# KiCad board Primero_esquematico.kicad_pcb (continued)
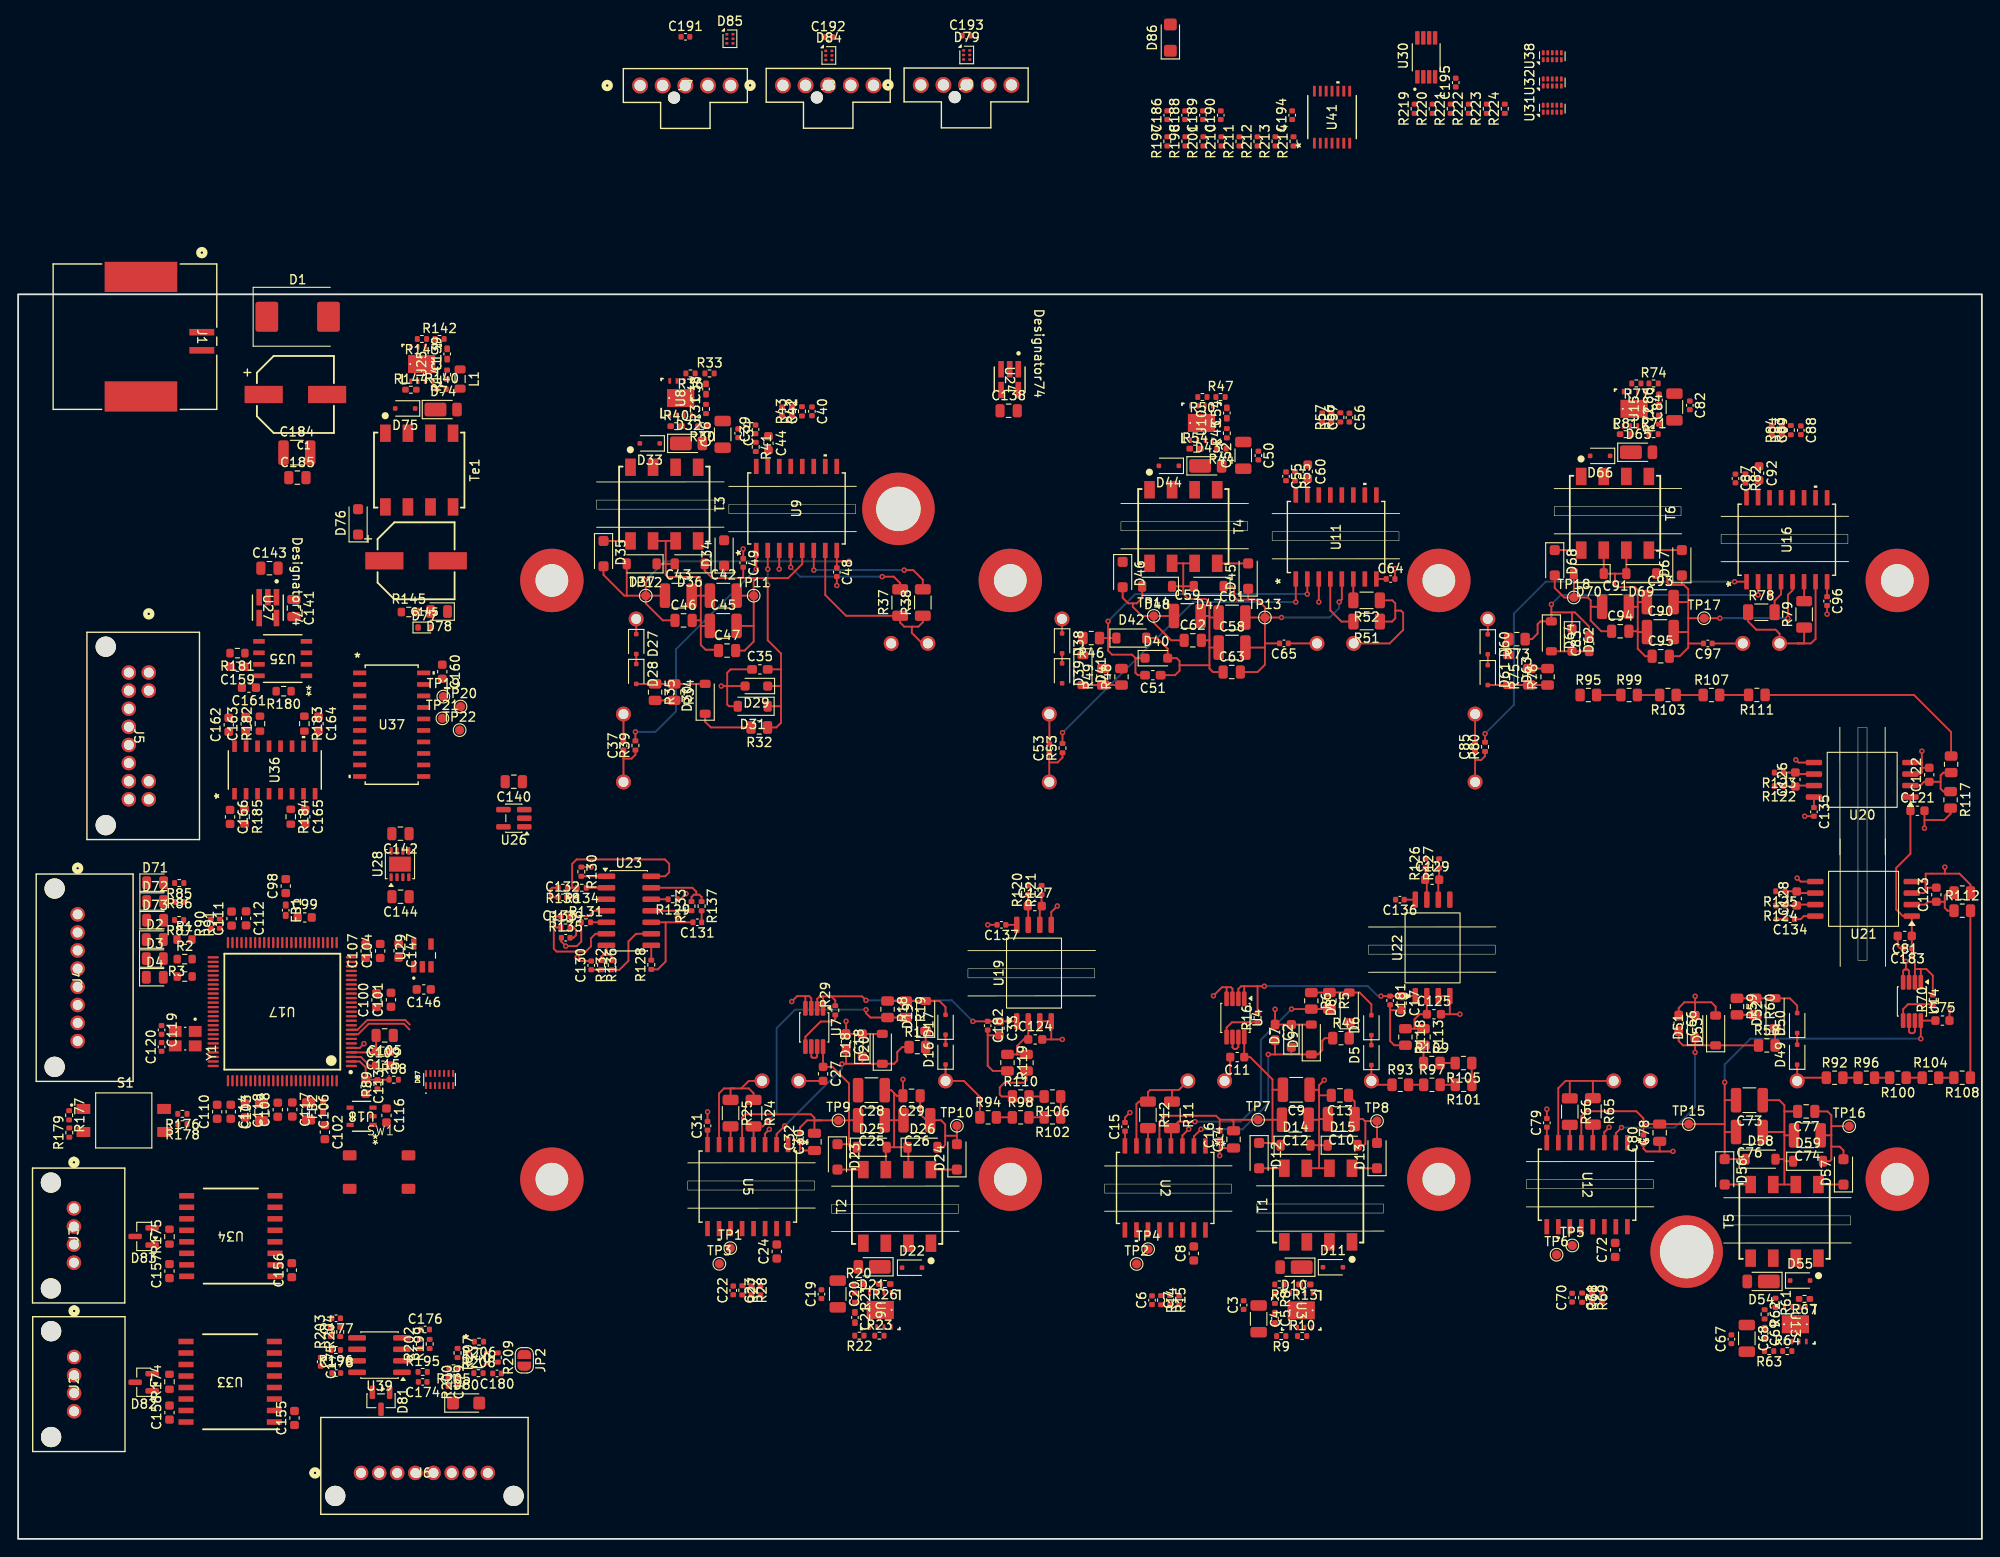
[diagram p0: board, top side]
## Footprints (pads in the part's own frame, mm; a bottom-side part is the same pattern mirrored in y, then rotated) (continued)
IT-1187-160GM-G
  rrect 1.5x1.1 smd: 1(0,0) 1(6.5,0) 2(0,3.7) 2(6.5,3.7)
L_0402_1005Metric_Pad0.77x0.64mm_HandSolder
  rrect 0.765x0.64 smd: 1(-0.573,0) 2(0.573,0)
L_0805_2012Metric
  rrect 0.875x1.2 smd: 1(-1.062,0) 2(1.062,0)
LED_0805_2012Metric
  rrect 0.975x1.4 smd: 1(-0.938,0) 2(0.938,0)
NGU0008C
  rect 0.6x0.3 smd: 1(-1.9,1.2) 2(-1.9,0.4) 3(-1.9,-0.4) 4(-1.9,-1.2) 5(1.9,-1.2) 6(1.9,-0.4) 7(1.9,0.4) 8(1.9,1.2)
  rect 1.98x3 smd: 9(0,0)
  round 0.5 hole 0.203: V(-0.74,0) V(0,1.25) V(0,-1.25) V(0.74,0)
NS20-L
  rect 1.448x0.508 smd: 1(-3.531,5.715) 2(-3.531,4.445) 3(-3.531,3.175) 4(-3.531,1.905) 5(-3.531,0.635) 6(-3.531,-0.635) 7(-3.531,-1.905) 8(-3.531,-3.175) 9(-3.531,-4.445) 10(-3.531,-5.715) 11(3.531,-5.715) 12(3.531,-4.445) 13(3.531,-3.175) 14(3.531,-1.905) 15(3.531,-0.635) 16(3.531,0.635) 17(3.531,1.905) 18(3.531,3.175) 19(3.531,4.445) 20(3.531,5.715)
PZ0100A_L
  oval 1.25x0.25 smd: 1(-7.625,6) 2(-7.625,5.5) 3(-7.625,5) 4(-7.625,4.5) 5(-7.625,4) 6(-7.625,3.5) 7(-7.625,3) 8(-7.625,2.5) 9(-7.625,2) 10(-7.625,1.5) 11(-7.625,1) 12(-7.625,0.5) 13(-7.625,0) 14(-7.625,-0.5) 15(-7.625,-1) 16(-7.625,-1.5) 17(-7.625,-2) 18(-7.625,-2.5) 19(-7.625,-3) 20(-7.625,-3.5) 21(-7.625,-4) 22(-7.625,-4.5) 23(-7.625,-5) 24(-7.625,-5.5) 25(-7.625,-6) 51(7.625,-6) 52(7.625,-5.5) 53(7.625,-5) 54(7.625,-4.5) 55(7.625,-4) 56(7.625,-3.5) 57(7.625,-3) 58(7.625,-2.5) 59(7.625,-2) 60(7.625,-1.5) 61(7.625,-1) 62(7.625,-0.5) 63(7.625,0) 64(7.625,0.5) 65(7.625,1) 66(7.625,1.5) 67(7.625,2) 68(7.625,2.5) 69(7.625,3) 70(7.625,3.5) 71(7.625,4) 72(7.625,4.5) 73(7.625,5) 74(7.625,5.5) 75(7.625,6)
  oval 0.25x1.25 smd: 26(-6,-7.625) 27(-5.5,-7.625) 28(-5,-7.625) 29(-4.5,-7.625) 30(-4,-7.625) 31(-3.5,-7.625) 32(-3,-7.625) 33(-2.5,-7.625) 34(-2,-7.625) 35(-1.5,-7.625) 36(-1,-7.625) 37(-0.5,-7.625) 38(0,-7.625) 39(0.5,-7.625) 40(1,-7.625) 41(1.5,-7.625) 42(2,-7.625) 43(2.5,-7.625) 44(3,-7.625) 45(3.5,-7.625) 46(4,-7.625) 47(4.5,-7.625) 48(5,-7.625) 49(5.5,-7.625) 50(6,-7.625) 76(6,7.625) 77(5.5,7.625) 78(5,7.625) 79(4.5,7.625) 80(4,7.625) 81(3.5,7.625) 82(3,7.625) 83(2.5,7.625) 84(2,7.625) 85(1.5,7.625) 86(1,7.625) 87(0.5,7.625) 88(0,7.625) 89(-0.5,7.625) 90(-1,7.625) 91(-1.5,7.625) 92(-2,7.625) 93(-2.5,7.625) 94(-3,7.625) 95(-3.5,7.625) 96(-4,7.625) 97(-4.5,7.625) 98(-5,7.625) 99(-5.5,7.625) 100(-6,7.625)
R_0402_1005Metric
  rrect 0.54x0.64 smd: 1(-0.51,0) 2(0.51,0)
R_0402_1005Metric_Pad0.72x0.64mm_HandSolder
  rrect 0.715x0.64 smd: 1(-0.598,0) 2(0.598,0)
R_0603_1608Metric
  rrect 0.8x0.95 smd: 1(-0.825,0) 2(0.825,0)
R_0805_2012Metric
  rrect 1.025x1.4 smd: 1(-0.912,0) 2(0.912,0)
R_1206_3216Metric
  rrect 1.125x1.75 smd: 1(-1.462,0) 2(1.462,0)
SC-74A-5_1.55x2.9mm_P0.95mm
  rrect 1.6x0.6 smd: 1(-1.15,0.95) 2(-1.15,0) 3(-1.15,-0.95) 4(1.15,-0.95) 5(1.15,0.95)
SOIC16_DW_TEX-L
  rect 1.676x0.508 smd: 1(-4.636,4.445) 2(-4.636,3.175) 3(-4.636,1.905) 4(-4.636,0.635) 5(-4.636,-0.635) 6(-4.636,-1.905) 7(-4.636,-3.175) 8(-4.636,-4.445) 9(4.636,-4.445) 10(4.636,-3.175) 11(4.636,-1.905) 12(4.636,-0.635) 13(4.636,0.635) 14(4.636,1.905) 15(4.636,3.175) 16(4.636,4.445)
SOIC-8_3.9x4.9mm_P1.27mm
  rrect 1.95x0.6 smd: 1(-2.475,1.905) 2(-2.475,0.635) 3(-2.475,-0.635) 4(-2.475,-1.905) 5(2.475,-1.905) 6(2.475,-0.635) 7(2.475,0.635) 8(2.475,1.905)
SOIC-8_7.5x5.85mm_P1.27mm
  rrect 1.8x0.6 smd: 1(-5.325,1.905) 2(-5.325,0.635) 3(-5.325,-0.635) 4(-5.325,-1.905) 5(5.325,-1.905) 6(5.325,-0.635) 7(5.325,0.635) 8(5.325,1.905)
SOIC-14_3.9x8.7mm_P1.27mm
  rrect 1.95x0.6 smd: 1(-2.475,3.81) 2(-2.475,2.54) 3(-2.475,1.27) 4(-2.475,0) 5(-2.475,-1.27) 6(-2.475,-2.54) 7(-2.475,-3.81) 8(2.475,-3.81) 9(2.475,-2.54) 10(2.475,-1.27) 11(2.475,0) 12(2.475,1.27) 13(2.475,2.54) 14(2.475,3.81)
SOIC_DCKRQ1_TEX-L
  rect 0.648x0.254 smd: 1(-1.022,0.65) 2(-1.022,0) 3(-1.022,-0.65) 4(1.022,-0.65) 5(1.022,0.65)
SolderJumper-2_P1.3mm_Open_RoundedPad1.0x1.5mm
  custom 1x1.5 smd: 1(-0.65,0) 2(0.65,0)
SON50P135X350X55-14N
  rrect 0.74x0.22 smd: 1(-0.67,1.5) 2(-0.67,1) 3(-0.67,0.5) 4(-0.67,0) 5(-0.67,-0.5) 6(-0.67,-1) 7(-0.67,-1.5) 8(0.67,-1.5) 9(0.67,-1) 10(0.67,-0.5) 11(0.67,0) 12(0.67,0.5) 13(0.67,1) 14(0.67,1.5)
SOP65P490X110-8N
  rrect 1.47x0.48 smd: 1(-2.15,0.975) 2(-2.15,0.325) 3(-2.15,-0.325) 4(-2.15,-0.975) 5(2.15,-0.975) 6(2.15,-0.325) 7(2.15,0.325) 8(2.15,0.975)
SOT95P0280X110-5N
  rrect 1.25x0.59 smd: 1(-1.255,0.95) 2(-1.255,0) 3(-1.255,-0.95) 4(1.255,-0.95) 5(1.255,0.95)
SOT-23
  rrect 1.475x0.6 smd: 1(-0.938,0.95) 2(-0.938,-0.95) 3(0.938,0)
SOT-886
  rrect 0.33x0.27 smd: 1(-0.34,0.5) 2(-0.34,0) 3(-0.34,-0.5) 4(0.34,-0.5) 5(0.34,0) 6(0.34,0.5)
SW_DS04-254-2-02BK-SMT-TR
  rect 1.5x1.1 smd: 1A(-4.45,1.27) 1B(4.45,1.27) 2A(-4.45,-1.27) 2B(4.45,-1.27)
TestPoint_Pad_D1.0mm
  round 1 smd: 1(0,0)
TSSOP_PWRQ1_TEX-L
  rect 1.168x0.305 smd: 1(-2.87,1.95) 2(-2.87,1.3) 3(-2.87,0.65) 4(-2.87,0) 5(-2.87,-0.65) 6(-2.87,-1.3) 7(-2.87,-1.95) 8(2.87,-1.95) 9(2.87,-1.3) 10(2.87,-0.65) 11(2.87,0) 12(2.87,0.65) 13(2.87,1.3) 14(2.87,1.95)
USON-10_2.5x1.0mm_P0.5mm
  rrect 0.55x0.3 smd: 1(-0.385,1) 2(-0.385,0.5) 3(-0.385,0) 4(-0.385,-0.5) 5(-0.385,-1) 6(0.385,-1) 7(0.385,-0.5) 8(0.385,0) 9(0.385,0.5) 10(0.385,1)
VSON-8-1EP_3x3mm_P0.65mm_EP1.65x2.4mm
  rrect 1.33x0.97 smd: (0,0.6) (0,-0.6)
  rrect 0.85x0.35 smd: 1(-1.45,0.975) 2(-1.45,0.325) 3(-1.45,-0.325) 4(-1.45,-0.975) 5(1.45,-0.975) 6(1.45,-0.325) 7(1.45,0.325) 8(1.45,0.975)
  rect 1.65x2.4 smd: 9(0,0)
VSSOP-8_3x3mm_P0.65mm
  rrect 1.625x0.5 smd: 1(-2.112,0.975) 2(-2.112,0.325) 3(-2.112,-0.325) 4(-2.112,-0.975) 5(2.112,-0.975) 6(2.112,-0.325) 7(2.112,0.325) 8(2.112,0.975)
WCAP-PSLC_8X11.7_DXL_
  rect 4.2x1.9 smd: 1(3.5,0) 2(-3.5,0)
WE-FLYTI_EP7_4436
  rect 1.91x1.17 smd: 1(-4.065,-3.735) 2(-4.065,-1.245) 3(-4.065,1.245) 4(-4.065,3.735) 5(4.065,3.735) 6(4.065,1.245) 7(4.065,-1.245) 8(4.065,-3.735)
XTAL_ABM8GAIG-20.000MHZ-8-7Z-T3
  rect 1.2x1.4 smd: 1(-0.8,1.1) 2(-0.8,-1.1) 3(0.8,-1.1) 4(0.8,1.1)

## Nets
+1V5: R214.1 U29.1
+3.3V_analog: C134.1 C135.1 C136.1 C137.1 C140.2 C178.2 C186.2 C191.1 C192.1 C193.1 D79.1 D84.1 D85.1 J7.1 J8.1 J9.1 JP2.1 R206.1 R209.1 R213.1 R224.1 U19.8 U20.8 U21.8 U22.8 U23.3 U26.5 U30.8 U39.8 U40.5 U41.4
+3V0: C104.1 C107.1 C147.1 R220.1 R222.1 U17.24 U17.25 U29.5
+5V_analog: C138.2 D86.1 J6.1 J6.2 U24.5
+5V_Can_1: C158.1 J2.4 U33.11 U33.16
+5V_Can_2: C157.1 J3.4 U34.11 U34.16
+5V_digital: C141.2 C146.1 C161.1 C162.1 J5.5 R180.2 U27.5 U29.3 U29.4 U32.4 U32.5 U35.8 U36.4 U36.16
+12V: C1.1 C3.2 C4.1 C19.2 C20.1 C34.2 C36.1 C50.2 C52.1 C67.2 C68.1 C82.2 C84.1 C184.1 C185.1 D1.1 D10.2 D21.2 D32.2 D43.2 D54.2 D65.2 J1.1 L1.1 R7.1 R20.1 R30.1 R44.1 R61.1 R71.1 T1.4 T2.4 T3.4 T4.4 T5.4 T6.4 U3.3 U6.3 U8.3 U10.3 U13.3 U15.3
/pcb_logica/LogicSupply/5V_FB: C142.2 C143.2 C145.1 D76.1 D77.1 R145.1 U24.1 U24.3 U26.1 U26.3 U27.1 U27.3 U28.5 U28.8
/pcb_potencia/Gate_Driver/5V_ISO_1: C81.1 C121.1 C183.1 R70.2 U14.1 U14.2 U20.1 U21.1
/pcb_potencia/Gate_Driver/5V_ISO_2: C17.1 C181.1 R16.2 U4.1 U4.2 U22.1
/pcb_potencia/Gate_Driver/5V_ISO_3: C33.1 C182.1 R29.2 U7.1 U7.2 U19.1
/pcb_potencia/Gate_Driver/GD_HS_1/+15V: C90.2 C93.2 C95.2 C97.2 D67.1 D69.1 TP17.1 U16.5
/pcb_potencia/Gate_Driver/GD_HS_1/-8V: C91.1 C94.1 C96.1 D68.2 D70.2 TP18.1 U16.8
/pcb_potencia/Gate_Driver/GD_HS_2/+15V: C58.2 C61.2 C63.2 C65.2 D45.1 D47.1 TP13.1 U11.5
/pcb_potencia/Gate_Driver/GD_HS_2/-8V: C59.1 C62.1 C64.1 D46.2 D48.2 TP14.1 U11.8
/pcb_potencia/Gate_Driver/GD_HS_3/+15V: C42.2 C45.2 C47.2 C49.2 D34.1 D36.1 TP11.1 U9.5
/pcb_potencia/Gate_Driver/GD_HS_3/-8V: C43.1 C46.1 C48.1 D35.2 D37.2 TP12.1 U9.8
/pcb_potencia/Gate_Driver/GD_LS_1/+15V: C73.2 C75.1 C76.2 C78.2 C80.2 D56.1 D58.1 TP15.1 U12.5 U14.8
/pcb_potencia/Gate_Driver/GD_LS_1/-8V: C74.1 C77.1 C79.1 D57.2 D59.2 TP16.1 U12.8
/pcb_potencia/Gate_Driver/GD_LS_2/+15V: C9.2 C11.1 C12.2 C14.2 C16.2 D12.1 D14.1 TP7.1 U2.5 U4.8
/pcb_potencia/Gate_Driver/GD_LS_2/-8V: C10.1 C13.1 C15.1 D13.2 D15.2 TP8.1 U2.8
/pcb_potencia/Gate_Driver/GD_LS_3/+15V: C25.2 C27.1 C28.2 C30.2 C32.2 D23.1 D25.1 TP9.1 U5.5 U7.8
/pcb_potencia/Gate_Driver/GD_LS_3/-8V: C26.1 C29.1 C31.1 D24.2 D26.2 TP10.1 U5.8
/pcb_potencia/Gate_Driver/VCC_DC: D27.1 D38.1 D60.1 R95.1 U1.C1 U1.C3 U1.C5
GND: C1.2 C3.1 C4.2 C5.1 C6.1 C7.1 C8.1 C19.1 C20.2 C21.1 C22.1 C23.1 C24.1 C34.1 C36.2 C38.1 C39.2 C40.1 C41.1 C44.1 C50.1 C52.2 C54.1 C55.2 C56.1 C57.1 C60.1 C67.1 C68.2 C69.1 C70.1 C71.1 C72.1 C82.1 C84.2 C86.1 C87.2 C88.1 C89.1 C92.1 C98.2 C99.2 C100.2 C101.2 C102.2 C103.1 C104.2 C105.1 C106.2 C107.2 C108.1 C109.2 C110.1 C111.2 C112.1 C113.2 C114.2 C115.1 C116.2 C117.2 C118.2 C119.2 C120.2 C130.2 C131.2 C132.2 C133.2 C134.2 C135.2 C136.2 C137.2 C138.1 C139.1 C140.1 C141.1 C142.1 C143.1 C144.1 C145.2 C146.2 C147.2 C155.2 C156.2 C160.2 C161.2 C162.2 C174.2 C175.2 C176.1 C177.1 C178.1 C179.1 C180.1 C184.2 C185.2 C186.1 C188.2 C189.2 C190.2 C191.2 C192.2 C193.2 C194.2 C195.1 D1.2 D2.1 D3.1 D4.1 D71.1 D72.1 D73.1 D77.2 D78.1 D79.2 D79.5 D80.2 D81.3 D84.2 D84.5 D85.2 D85.5 D86.2 D87.5 D87.10 J1.2 J1.MNT1 J1.MNT2 J4.7 J4.8 J5.6 J6.6 J6.7 J6.8 J7.2 J8.2 J9.2 R8.2 R9.2 R21.2 R22.2 R31.2 R33.2 R45.2 R47.2 R62.2 R63.2 R72.2 R74.2 R128.1 R129.1 R130.1 R131.1 R141.2 R142.2 R177.2 R179.2 R202.2 R204.2 R205.2 R207.2 R210.2 R211.2 R212.2 R221.2 R223.2 SW1.1 Te1.5 Te1.6 U2.9 U3.8 U3.9 U5.9 U6.8 U6.9 U8.8 U8.9 U9.9 U10.8 U10.9 U11.9 U12.9 U13.8 U13.9 U15.8 U15.9 U16.9 U17.5 U17.12 U17.13 U17.14 U17.15 U17.26 U17.27 U17.32 U17.33 U17.42 U17.45 U17.72 U17.73 U17.82 U17.86 U18.2 U19.5 U20.5 U21.5 U22.5 U23.10 U24.2 U25.8 U25.9 U26.2 U27.2 U28.4 U28.6 U28.9 U29.2 U30.4 U31.3 U31.8 U32.3 U32.8 U33.2 U33.8 U34.2 U34.8 U35.5 U36.8 U36.12 U37.6 U37.7 U37.8 U37.9 U37.10 U37.19 U38.3 U38.8 U39.4 U40.2 U41.11
GND_Can_1: C158.2 D82.3 J2.3 U33.9 U33.10 U33.15
GND_Can_2: C157.2 D83.3 J3.3 U34.9 U34.10 U34.15
GNDPWR_1: C66.1 C73.1 C74.2 C75.2 C76.1 C77.2 C78.1 C79.2 C80.1 C81.2 C121.2 C122.2 C123.2 C183.2 D51.2 D53.2 D58.2 D59.1 R116.2 R117.2 T5.6 T5.7 U1.E2 U12.3 U14.3 U14.4 U20.3 U20.4 U21.3 U21.4
GNDPWR_2: C2.1 C9.1 C10.2 C11.2 C12.1 C13.2 C14.1 C15.2 C16.1 C17.2 C125.2 C181.2 D7.2 D9.2 D14.2 D15.1 R118.2 T1.6 T1.7 U1.E4 U2.3 U4.3 U4.4 U22.3 U22.4
GNDPWR_3: C18.1 C25.1 C26.2 C27.2 C28.1 C29.2 C30.1 C31.2 C32.1 C33.2 C124.2 C182.2 D18.2 D20.2 D25.2 D26.1 R119.2 T2.6 T2.7 U1.E6 U5.3 U7.3 U7.4 U19.3 U19.4
+3.3_digital: C8.2 C24.2 C44.2 C60.2 C72.2 C92.2 C98.1 C102.1 C116.1 C144.2 C155.1 C156.1 C160.1 D87.14 FB1.1 FB2.1 J4.1 R1.2 R2.2 R3.2 R14.2 R15.2 R27.2 R28.2 R42.2 R43.2 R56.2 R57.2 R68.2 R69.2 R83.2 R84.2 R89.1 R176.1 R178.1 U2.15 U5.15 U9.15 U11.15 U12.15 U16.15 U18.3 U18.5 U28.1 U28.3 U33.1 U34.1 U37.1 U37.20
/pcb_logica/A: TP19.1 U17.93 U37.18
/pcb_logica/acelerador_1: C174.1 R195.2 U17.9
/pcb_logica/acelerador_2: C175.1 R196.2 U17.8
/pcb_logica/apps/opamp_1: C176.2 D81.1 J6.3 R199.2
/pcb_logica/apps/opamp_2: C177.2 D81.2 J6.4 R203.2
/pcb_logica/apps/power_ready_conector: R200.2 R205.1 U40.3
/pcb_logica/B: TP20.1 U17.52 U37.17
/pcb_logica/Boot_Mode_1: R178.2 S1.2B U17.64
/pcb_logica/Boot_Mode_2: R176.2 S1.1B U17.56
/pcb_logica/CAN_RX_A: U17.98 U33.5
/pcb_logica/CAN_RX_B: U17.50 U34.5
/pcb_logica/CAN_TX_A: U17.99 U33.3
/pcb_logica/CAN_TX_B: U17.51 U34.3
/pcb_logica/Clk: U17.74 U35.4
/pcb_logica/Current_A: C190.1 R201.2 U17.23
/pcb_logica/Current_B: C189.1 R198.2 U17.41
/pcb_logica/Current_C: C188.1 R197.2 U17.19
/pcb_logica/Data: TP22.1 U17.84 U37.15
/pcb_logica/encoder/A+: J5.4 R185.1 U31.4 U36.2
/pcb_logica/encoder/A-: C166.1 J5.3 U31.5 U36.1
/pcb_logica/encoder/A_MCU_5V: U36.3 U37.2
/pcb_logica/encoder/B+: J5.12 R184.1 U32.2 U36.6
/pcb_logica/encoder/B-: C165.1 J5.11 U32.1 U36.7
/pcb_logica/encoder/B_MCU_5V: U36.5 U37.3
/pcb_logica/encoder/Clock+: J5.1 R181.1 U31.1 U35.6
/pcb_logica/encoder/Clock-: C159.1 J5.2 U31.2 U35.7
/pcb_logica/encoder/Data+: J5.10 R182.1 U36.14 U38.2
/pcb_logica/encoder/Data-: C163.1 J5.9 U36.15 U38.1
/pcb_logica/encoder/DATA_MCU_5V: U36.13 U37.5
/pcb_logica/encoder/Z+: J5.7 R183.1 U36.10 U38.4
/pcb_logica/encoder/Z-: C164.1 J5.8 U36.9 U38.5
/pcb_logica/encoder/Z_MCU_5V: U36.11 U37.4
/pcb_logica/ErrorDC: R91.2 R224.2 U30.1 U30.7
/pcb_logica/F280049C/A6_ADC_PS: U17.6
/pcb_logica/F280049C/A8_5V_C_SP: U17.37
/pcb_logica/F280049C/GP_6_PWM_FAN: U17.97
/pcb_logica/F280049C/GP_14_OverCurrent_MP_A: U17.96
/pcb_logica/F280049C/GP_15_OverCurrent_MP_B: U17.95
/pcb_logica/F280049C/GP_16_OverCurrent_MP_C: U17.54
/pcb_logica/F280049C/GP_17_OverDC: U17.55
/pcb_logica/F280049C/GP_25_LED_A: R85.1 U17.57
/pcb_logica/F280049C/GP_26_LED_B: R86.1 U17.58
/pcb_logica/F280049C/GP_27_LED_C: R87.1 U17.59
/pcb_logica/F280049C/GP_28_UART_RX: U17.1
/pcb_logica/F280049C/GP_29_UART_TX: U17.100
/pcb_logica/F280049C/GP_39_E_STOP: U17.91
/pcb_logica/F280049C/GP_58_Reset_Pote: U17.67
/pcb_logica/F280049C/GP_59_WD: U17.92 U18.4
/pcb_logica/F280049C/GPIO18_X2: C119.1 U17.68 Y1.1
/pcb_logica/F280049C/X1: C120.1 U17.69 Y1.3
/pcb_logica/GD_FLT: C7.2 C23.2 C41.2 C57.2 C71.2 C89.2 D2.2 R1.1 R15.1 R28.1 R43.1 R57.1 R69.1 R84.1 U2.13 U5.13 U9.13 U11.13 U12.13 U16.13 U17.65
/pcb_logica/GD_RDY: C6.2 C22.2 C40.2 C56.2 C70.2 C88.2 D3.2 R2.1 R14.1 R27.1 R42.1 R56.1 R68.1 R83.1 U2.12 U5.12 U9.12 U11.12 U12.12 U16.12 U17.66
/pcb_logica/Mcu_reset: C113.1 D87.13 J4.2 R88.1 R89.2 U17.2 U18.1
/pcb_logica/OCD_OUT: D79.6 D84.6 D85.6 J7.5 J8.5 J9.5 R90.2 R213.2
/pcb_logica/PWM_H_A: TP6.1 U12.10 U16.11 U17.79
/pcb_logica/PWM_H_B: TP2.1 U2.10 U17.77
/pcb_logica/PWM_H_C: TP3.1 U5.10 U9.11 U11.11 U17.75
/pcb_logica/PWM_L_A: TP5.1 U12.11 U16.10 U17.78
/pcb_logica/PWM_L_B: TP4.1 U2.11 U11.10 U17.76
/pcb_logica/PWM_L_C: TP1.1 U5.11 U9.10 U17.89
/pcb_logica/Reset_Pote: C180.2 D4.2 JP2.2 R3.1 R208.2 R209.2 U2.14 U5.14 U9.14 U11.14 U12.14 U16.14 U40.4
/pcb_logica/TCK: D87.9 J4.5 U17.60
/pcb_logica/TDI: D87.12 J4.3 U17.63
/pcb_logica/TDO: D87.11 J4.4 U17.61
/pcb_logica/Temp_A: C87.1 R82.1 U17.7
/pcb_logica/Temp_B: C55.1 R55.1 U17.39
/pcb_logica/Temp_C: C39.1 R41.1 U17.21
/pcb_logica/Temp_PCB: U17.17
/pcb_logica/Tension_A: C132.1 R138.2 U17.10
/pcb_logica/Tension_B: C133.1 R139.2 U17.40
/pcb_logica/Tension_C: C130.1 R136.2 U17.29
/pcb_logica/Tension_DC: C131.1 R137.2 R219.1 U17.35
/pcb_logica/TMS: D87.8 J4.6 U17.62
/pcb_logica/Z: TP21.1 U17.90 U37.16
/pcb_potencia/currentS/U_ref: D79.4 D84.4 D85.4 J7.4 J8.4 J9.4 U41.13 U41.14
/pcb_potencia/currentS/Uout_1: D85.3 J7.3 R211.1 U41.3
/pcb_potencia/currentS/Uout_2: D84.3 J8.3 R210.1 U41.5
/pcb_potencia/currentS/Uout_3: D79.3 J9.3 R212.1 U41.10
/pcb_potencia/Gate_Driver/GD_HS_1/DESAT: C83.2 D62.1 D64.1 R73.1 U16.2
/pcb_potencia/Gate_Driver/GD_HS_1/Gate: R78.1 R79.1 U1.G1 U16.7
/pcb_potencia/Gate_Driver/GD_HS_1/S_HV: C85.1 R80.1 U1.T1
/pcb_potencia/Gate_Driver/GD_HS_2/DESAT: C51.2 D40.1 D42.1 R46.1 U11.2
/pcb_potencia/Gate_Driver/GD_HS_2/Gate: R51.1 R52.1 U1.G3 U11.7
/pcb_potencia/Gate_Driver/GD_HS_2/S_HV: C53.1 R53.1 U1.T3
/pcb_potencia/Gate_Driver/GD_HS_3/DESAT: C35.2 D29.1 D31.1 R32.1 U9.2
/pcb_potencia/Gate_Driver/GD_HS_3/Gate: R37.1 R38.1 U1.G5 U9.7
/pcb_potencia/Gate_Driver/GD_HS_3/S_HV: C37.1 R39.1 U1.T5
/pcb_potencia/Gate_Driver/GD_LS_1/APWM: U12.16
/pcb_potencia/Gate_Driver/GD_LS_1/DESAT: C66.2 D51.1 D53.1 R58.1 U12.2
/pcb_potencia/Gate_Driver/GD_LS_1/Gate: R65.1 R66.1 U1.G2 U12.7
/pcb_potencia/Gate_Driver/GD_LS_1/S_HV: U12.1
/pcb_potencia/Gate_Driver/GD_LS_2/APWM: U2.16
/pcb_potencia/Gate_Driver/GD_LS_2/DESAT: C2.2 D7.1 D9.1 R4.1 U2.2
/pcb_potencia/Gate_Driver/GD_LS_2/Gate: R11.1 R12.1 U1.G4 U2.7
/pcb_potencia/Gate_Driver/GD_LS_2/S_HV: U2.1
/pcb_potencia/Gate_Driver/GD_LS_3/APWM: U5.16
/pcb_potencia/Gate_Driver/GD_LS_3/DESAT: C18.2 D18.1 D20.1 R17.1 U5.2
/pcb_potencia/Gate_Driver/GD_LS_3/Gate: R24.1 R25.1 U1.G6 U5.7
/pcb_potencia/Gate_Driver/GD_LS_3/S_HV: U5.1
/pcb_potencia/Gate_Driver/ISO_GND_HS_1: C83.1 C85.2 C90.1 C91.2 C93.1 C94.2 C95.1 C96.2 C97.1 D62.2 D64.2 D69.2 D70.1 T6.6 T6.7 U1.E1 U1.T2 U16.3
/pcb_potencia/Gate_Driver/ISO_GND_HS_2: C51.1 C53.2 C58.1 C59.2 C61.1 C62.2 C63.1 C64.2 C65.1 D40.2 D42.2 D47.2 D48.1 T4.6 T4.7 U1.E3 U1.T4 U11.3
/pcb_potencia/Gate_Driver/ISO_GND_HS_3: C35.1 C37.2 C42.1 C43.2 C45.1 C46.2 C47.1 C48.2 C49.1 D29.2 D31.2 D36.2 D37.1 T3.6 T3.7 U1.E5 U1.T6 U9.3
/pcb_potencia/Gate_Driver/MP_1: D49.1 R92.1 U1.C2
/pcb_potencia/Gate_Driver/MP_2: D5.1 R93.1 U1.C4
/pcb_potencia/Gate_Driver/MP_3: D16.1 R94.1 U1.C6
Net-(C100-Pad1): C99.1 C100.1 C101.1 FB1.2 U17.11 U17.34
Net-(C103-Pad2): C103.2 C105.2 C108.2 C110.2 C112.2 C115.2 U17.4 U17.46 U17.71 U17.87
Net-(C159-Pad2): C159.2 R181.2
Net-(C163-Pad2): C163.2 R182.2
Net-(C164-Pad2): C164.2 R183.2
Net-(C165-Pad2): C165.2 R184.2
Net-(C166-Pad2): C166.2 R185.2
Net-(D5-A): D5.2 D6.1
Net-(D6-A): D6.2 D8.2 R5.1 R6.1
Net-(D8-K): D8.1 R4.2
Net-(D10-K): D10.1 D11.1
Net-(D11-A): D11.2 R13.1 T1.1 U3.1
Net-(D12-A): D12.2 T1.5
Net-(D13-K): D13.1 T1.8
Net-(D16-A): D16.2 D17.1
Net-(D17-A): D17.2 D19.2 R18.1 R19.1
Net-(D19-K): D19.1 R17.2
Net-(D21-K): D21.1 D22.1
Net-(D22-A): D22.2 R26.1 T2.1 U6.1
Net-(D23-A): D23.2 T2.5
Net-(D24-K): D24.1 T2.8
Net-(D27-A): D27.2 D28.1
Net-(D28-A): D28.2 D30.2 R34.1 R35.1
Net-(D30-K): D30.1 R32.2
Net-(D32-K): D32.1 D33.1
Net-(D33-A): D33.2 R40.1 T3.1 U8.1
Net-(D34-A): D34.2 T3.5
Net-(D35-K): D35.1 T3.8
Net-(D38-A): D38.2 D39.1
Net-(D39-A): D39.2 D41.2 R48.1 R49.1
Net-(D41-K): D41.1 R46.2
Net-(D43-K): D43.1 D44.1
Net-(D44-A): D44.2 R54.1 T4.1 U10.1
Net-(D45-A): D45.2 T4.5
Net-(D46-K): D46.1 T4.8
Net-(D49-A): D49.2 D50.1
Net-(D50-A): D50.2 D52.2 R59.1 R60.1
Net-(D52-K): D52.1 R58.2
Net-(D54-K): D54.1 D55.1
Net-(D55-A): D55.2 R67.1 T5.1 U13.1
Net-(D56-A): D56.2 T5.5
Net-(D57-K): D57.1 T5.8
Net-(D60-A): D60.2 D61.1
Net-(D61-A): D61.2 D63.2 R75.1 R76.1
Net-(D63-K): D63.1 R73.2
Net-(D65-K): D65.1 D66.1
Net-(D66-A): D66.2 R81.1 T6.1 U15.1
Net-(D67-A): D67.2 T6.5
Net-(D68-K): D68.1 T6.8
Net-(D71-A): D71.2 R85.2
Net-(D72-A): D72.2 R86.2
Net-(D73-A): D73.2 R87.2
Net-(D74-A): D74.2 L1.2 R140.1 Te1.4 U25.3
Net-(D74-K): D74.1 D75.1
Net-(D75-A): D75.2 R144.1 Te1.1 U25.1
Net-(D76-A): D76.2 Te1.7 Te1.8
Net-(D78-A): D78.2 R145.2
Net-(D80-A1): C179.2 D80.1 J6.5 R200.1
Net-(D82-A1): D82.1 J2.2 R174.1 U33.13
Net-(D82-A2): D82.2 J2.1 R174.2 U33.12
Net-(D83-A1): D83.1 J3.2 R175.1 U34.13
Net-(D83-A2): D83.2 J3.1 R175.2 U34.12
Net-(R88-Pad2): R88.2 SW1.2
Net-(R92-Pad2): R92.2 R96.1
Net-(R93-Pad2): R93.2 R97.1
Net-(R94-Pad2): R94.2 R98.1
Net-(R95-Pad2): R95.2 R99.1
Net-(R100-Pad1): R100.1 R104.1
Net-(R100-Pad2): R96.2 R100.2
Net-(R101-Pad1): R101.1 R105.1
Net-(R101-Pad2): R97.2 R101.2
Net-(R102-Pad1): R102.1 R106.1
Net-(R102-Pad2): R98.2 R102.2
Net-(R103-Pad1): R103.1 R107.1
Net-(R103-Pad2): R99.2 R103.2
Net-(R104-Pad2): R104.2 R108.2
Net-(R105-Pad2): R105.2 R109.2
Net-(R106-Pad2): R106.2 R110.2
Net-(R107-Pad2): R107.2 R111.2
Net-(R108-Pad1): R108.1 R112.2
Net-(R109-Pad1): R109.1 R113.2
Net-(R110-Pad1): R110.1 R114.2
Net-(R111-Pad1): R111.1 R115.2
Net-(R132-Pad2): R132.2 R136.1 U23.7
Net-(R133-Pad2): R133.2 R137.1 U23.13
Net-(R134-Pad2): R134.2 R138.1 U23.14
Net-(R135-Pad2): R135.2 R139.1 U23.6
Net-(R177-Pad1): R177.1 S1.1A
Net-(R179-Pad1): R179.1 S1.2A
Net-(U2-OUTH): R5.2 R6.2 R11.2 U2.4
Net-(U2-OUTL): R12.2 U2.6
Net-(U3-EN_UVLO): R7.2 R8.1 U3.4
Net-(U3-FB): R13.2 U3.2
Net-(U3-RSET): R10.2 U3.7
Net-(U3-SS_BIAS): C5.2 U3.5
Net-(U3-TC): R9.1 R10.1 U3.6
Net-(U4-FEEDBACK): U4.6 U4.7
Net-(U4-~{ERROR}): R16.1 U4.5
Net-(U5-OUTH): R18.2 R19.2 R24.2 U5.4
Net-(U5-OUTL): R25.2 U5.6
Net-(U6-EN_UVLO): R20.2 R21.1 U6.4
Net-(U6-FB): R26.2 U6.2
Net-(U6-RSET): R23.2 U6.7
Net-(U6-SS_BIAS): C21.2 U6.5
Net-(U6-TC): R22.1 R23.1 U6.6
Net-(U7-FEEDBACK): U7.6 U7.7
Net-(U7-~{ERROR}): R29.1 U7.5
Net-(U8-EN_UVLO): R30.2 R31.1 U8.4
Net-(U8-FB): R40.2 U8.2
Net-(U8-RSET): R36.2 U8.7
Net-(U8-SS_BIAS): C38.2 U8.5
Net-(U8-TC): R33.1 R36.1 U8.6
Net-(U9-AIN): R39.2 U9.1
Net-(U9-APWM): R41.2 U9.16
Net-(U9-OUTH): R34.2 R35.2 R37.2 U9.4
Net-(U9-OUTL): R38.2 U9.6
Net-(U10-EN_UVLO): R44.2 R45.1 U10.4
Net-(U10-FB): R54.2 U10.2
Net-(U10-RSET): R50.2 U10.7
Net-(U10-SS_BIAS): C54.2 U10.5
Net-(U10-TC): R47.1 R50.1 U10.6
Net-(U11-AIN): R53.2 U11.1
Net-(U11-APWM): R55.2 U11.16
Net-(U11-OUTH): R48.2 R49.2 R51.2 U11.4
Net-(U11-OUTL): R52.2 U11.6
Net-(U12-OUTH): R59.2 R60.2 R65.2 U12.4
Net-(U12-OUTL): R66.2 U12.6
Net-(U13-EN_UVLO): R61.2 R62.1 U13.4
Net-(U13-FB): R67.2 U13.2
Net-(U13-RSET): R64.2 U13.7
Net-(U13-SS_BIAS): C69.2 U13.5
Net-(U13-TC): R63.1 R64.1 U13.6
Net-(U14-FEEDBACK): U14.6 U14.7
Net-(U14-~{ERROR}): R70.1 U14.5
Net-(U15-EN_UVLO): R71.2 R72.1 U15.4
Net-(U15-FB): R81.2 U15.2
Net-(U15-RSET): R77.2 U15.7
Net-(U15-SS_BIAS): C86.2 U15.5
Net-(U15-TC): R74.1 R77.1 U15.6
Net-(U16-AIN): R80.2 U16.1
Net-(U16-APWM): R82.2 U16.16
Net-(U16-OUTH): R75.2 R76.2 R78.2 U16.4
Net-(U16-OUTL): R79.2 U16.6
Net-(U17D-FLT1): R90.1 U17.49
Net-(U17D-FLT2): R91.1 U17.48
Net-(U17E-VDDIO_SW): C106.1 C109.1 C111.1 C114.1 C117.1 C118.1 FB2.2 U17.3 U17.47 U17.70 U17.80 U17.88
Net-(U19-VINP): C124.1 R114.1 R119.1 U19.2
Net-(U19-VOUTN): C127.2 R121.1 U19.6
Net-(U19-VOUTP): C127.1 R120.1 U19.7
Net-(U20-VINP): C122.1 R115.1 R117.1 U20.2
Net-(U20-VOUTN): C126.2 R123.1 U20.6
Net-(U20-VOUTP): C126.1 R122.1 U20.7
Net-(U21-VINP): C123.1 R112.1 R116.1 U21.2
Net-(U21-VOUTN): C128.2 R125.1 U21.6
Net-(U21-VOUTP): C128.1 R124.1 U21.7
Net-(U22-VINP): C125.1 R113.1 R118.1 U22.2
Net-(U22-VOUTN): C129.2 R127.1 U22.6
Net-(U22-VOUTP): C129.1 R126.1 U22.7
Net-(U23A-+): R124.2 R134.1 U23.2
Net-(U23A--): R125.2 R130.2 U23.1
Net-(U23B-+): R126.2 R135.1 U23.4
Net-(U23B--): R127.2 R131.2 U23.5
Net-(U23C-+): R120.2 R132.1 U23.9
Net-(U23C--): R121.2 R128.2 U23.8
Net-(U23D-+): R122.2 R133.1 U23.11
Net-(U23D--): R123.2 R129.2 U23.12
Net-(U25-EN_UVLO): R140.2 R141.1 U25.4
Net-(U25-FB): R144.2 U25.2
Net-(U25-RSET): R143.2 U25.7
Net-(U25-SS_BIAS): C139.2 U25.5
Net-(U25-TC): R142.1 R143.1 U25.6
Net-(U30-1IN+): R220.2 R221.1 U30.3
Net-(U30-1IN-): C195.2 R219.2 U30.2 U30.5
Net-(U30-2IN-): R222.2 R223.1 U30.6
Net-(U35-*RE): R180.1 U35.2 U35.3
Net-(U39A-+): R199.1 R202.1 U39.3
Net-(U39A--): R195.1 U39.1 U39.2
Net-(U39B-+): R203.1 R204.1 U39.5
Net-(U39B--): R196.1 U39.6 U39.7
Net-(U40-IN+): R206.2 R207.1 R208.1 U40.1
Net-(U41-IN1-): R197.1 U41.1 U41.2
Net-(U41-IN2-): R198.1 U41.6 U41.7
Net-(U41-IN3-): R201.1 U41.8 U41.9
Net-(U41-IN4+): C194.1 R214.2 U41.12

Pads without a net: D87 1 2 3 4 6 7; T1 2 3; T2 2 3; T3 2 3; T4 2 3; T5 2 3; T6 2 3; Te1 2 3; U1 D1 D2 D3 D4 D5 D6 D7 D8 M1 M2; U3 V; U6 V; U8 V; U10 V; U13 V; U15 V; U17 16 18 20 22 28 30 31 36 38 43 44 53 81 83 85 94; U24 4; U25 V; U26 4; U27 4; U28 2 7; U31 6 7 9 10; U32 6 7 9 10; U33 4 6 7 14; U34 4 6 7 14; U35 1; U37 11 12 13 14; U38 6 7 9 10; Y1 2 4

## Via types
v1: diameter 0.6, hole 0.3, Top to Bottom, 82 vias

## Routing (per net, layer and track width the routed paths; a pad name or vN(x,y) marks a point on that pad's centre or on a via; arc(x,y) is an arc through that point)
+3.3V_analog: length 6
  Top w0.2: C134.1 196.75,68.41 197.09,68.76 U21.8 ; C137.1 109.02,67.79 U19.8 ; U22.8 C136.1 ; C135.1 U20.8
/pcb_potencia/Gate_Driver/5V_ISO_1: length 28.6
  Top w0.2: U14.1 210.01,62.9 210.02,62.91 209.83,62.91 ; 209.83,62.91 210.62,62.91 211.34,62.19 R70.2 ; 209.83,62.91 209.36,62.91 ; U14.2 209.36,62.91 ; 209.36,62.91 209.36,63.87 209.02,64.21 C183.1 C81.1 U21.1 208.03,68.76 207.3,69.49 207.3,74.07 208.87,75.64 C121.1 U20.1
/pcb_potencia/Gate_Driver/5V_ISO_2: length 25.5
  Top w0.2: 135.34,61.01 134.99,61.01 134.69,60.71 U4.2 ; 135.34,61.01 U4.1 ; 135.34,61.01 136.81,61.01 ; v1(150.43,59.92) C181.1 C17.1 U22.1 ; R16.2 136.81,61.01 ; 136.81,61.01 v1(137.56,61.01)
  Bottom w0.2: v1(150.43,59.92) 150.09,59.92 149,61.01 v1(137.56,61.01)
/pcb_potencia/Gate_Driver/5V_ISO_3: length 26.9
  Top w0.2: v1(105.39,57.13) 107.01,57.13 C182.1 108.31,57.14 C33.1 108.32,57.14 U19.1 ; 88.85,59.89 88.48,59.89 88.2,59.61 U7.2 ; 88.85,59.89 U7.1 ; 88.85,59.89 89.75,59.89 ; 89.75,59.89 90.2,59.44 R29.2 ; 89.75,59.89 93.16,59.89 v1(93.59,59.46)
  Bottom w0.2: v1(105.39,57.13) 103.06,59.46 v1(93.59,59.46)
/pcb_potencia/Gate_Driver/GD_HS_1/+15V: length 34.8
  Top w0.2: D69.1 181.78,106.56 182.03,106.31 182.03,105.59 182.31,105.31 183.64,105.31 ; C95.2 183.4,97.44 184.35,98.39 184.35,98.85 ; 184.35,98.85 184.35,100.11 ; 184.35,98.85 C97.2 ; 183.64,105.31 183.87,105.31 184.35,104.83 184.35,103.42 ; 183.64,105.31 D67.1 ; 184.35,100.11 184.35,101.64 ; 184.35,100.11 C90.2 ; 184.35,101.64 TP17.1 v1(187.84,101.64) ; 184.35,101.64 184.35,103.42 ; C93.2 184.35,103.42 ; v1(195.35,101.64) 195.35,104.22 195.86,104.73 U16.5
  Bottom w0.2: v1(187.84,101.64) v1(195.35,101.64)
/pcb_potencia/Gate_Driver/GD_HS_1/-8V: length 16.5
  Top w0.2: 173.58,102.9 173.58,103.61 173.26,103.93 TP18.1 ; 173.58,102.9 C91.1 ; 173.58,102.9 173.58,101.37 174.75,100.2 C94.1 ; TP18.1 170.65,103.93 169.61,104.97 D68.2 ; TP18.1 D70.2 ; U16.8 C96.1
/pcb_potencia/Gate_Driver/GD_HS_2/+15V: length 34.5
  Top w0.2: TP13.1 137.62,102.86 136.79,103.69 135.77,103.69 ; TP13.1 v1(139.45,101.72) ; TP13.1 C61.2 ; TP13.1 137.62,98.86 ; v1(145.82,103.43) 146.11,103.72 U11.5 ; 137.62,98.86 137.62,98.4 ; 137.62,98.86 C65.2 ; 137.62,98.4 C58.2 ; 137.62,98.4 137.62,96.51 136.81,95.7 C63.2 ; D47.1 134,105.16 134.23,104.93 134.23,103.99 134.53,103.69 135.77,103.69 ; 135.77,103.69 D45.1